# Altium PCB UprojectPCB.PcbDoc (part 2 of 2)
Units mm, origin at the board's own origin, x right, y up, seen from the top; angles counter-clockwise.
Board outline 96.84 x 95.88 mm, 4 copper layers (Top Layer, Int1 (GND), Int2 (PWR), Bottom Layer), stack 1.369 mm thick; 127 components, 88 nets, 449 pads, 124 vias.
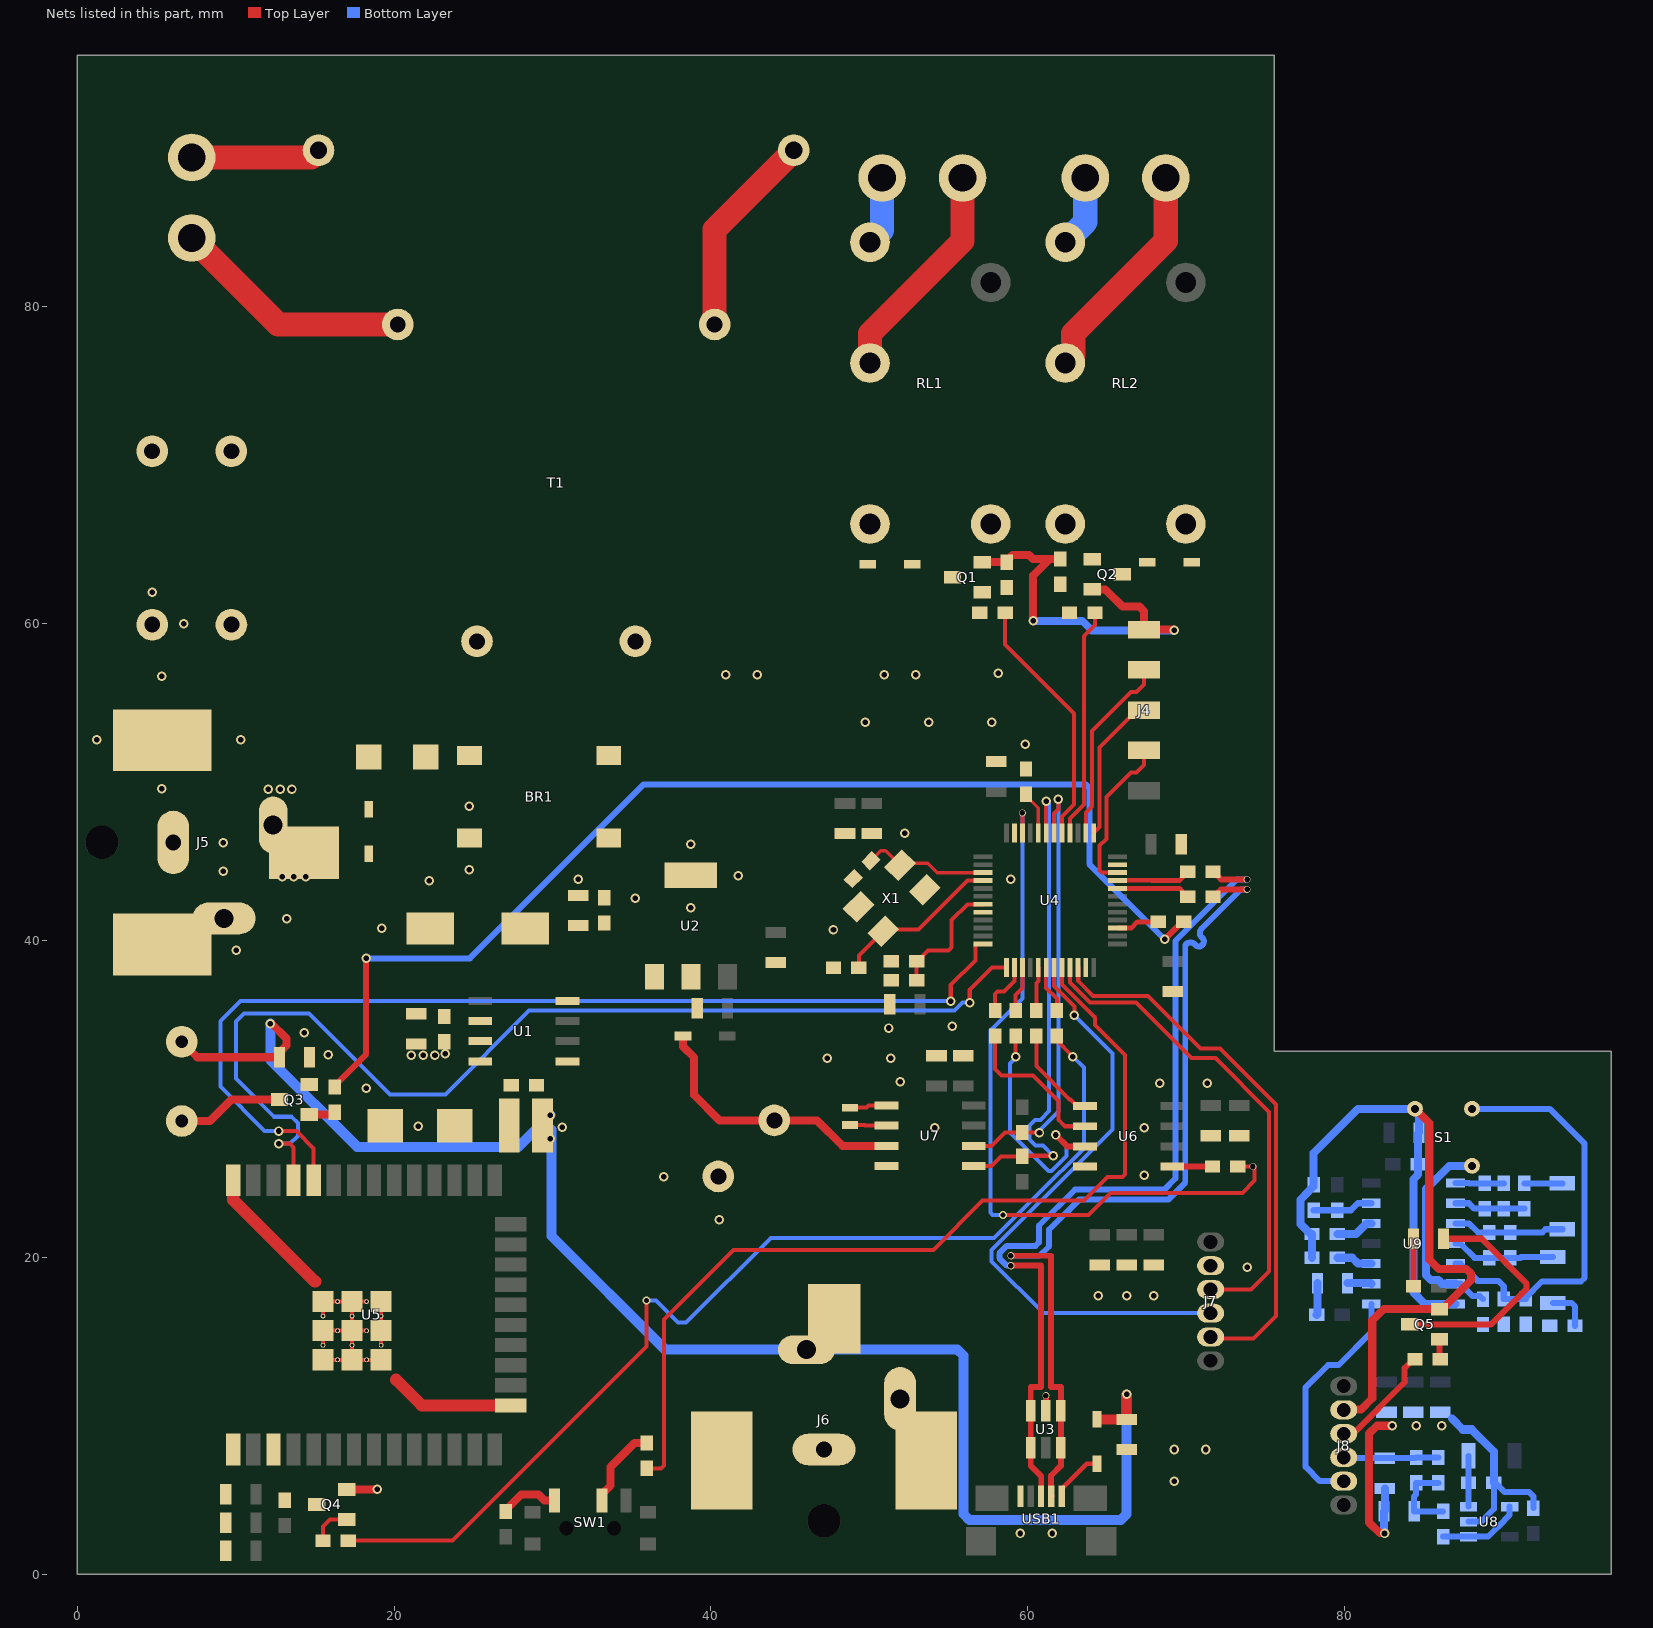
[diagram p4: the nets of this part, all layers, seen from the top]

## Via types
v1: diameter 0.6, hole 0.35, Top Layer to Bottom Layer, tented both sides, 114 vias
v2: diameter 0.45, hole 0.35, Top Layer to Bottom Layer, tented both sides, 8 vias
v3: diameter 0.5, hole 0.3, Top Layer to Bottom Layer, tented both sides, 2 vias

## Nets (pads, with @x,y where several pads share a name; then routed paths per layer and width w, separated by ;. In a path a pad name is that pad's centre, name@x,y a point inside that pad or via, vN(x,y) a via of type N, cw(c..) or ccw(c..) an arc to the next point about the centre after c; other vN are vias at no path point) (continued)
+5VDC: BZ1.2 C5.1 C7.2 C8.2 C9.2 C20.2 D4.1 J6.1 L1.2 U1.4 U2.1 | length 99.8
  Top Layer w0.508: BZ1.2@6.602,33.611 7.579,32.635 C20.2@12.764,32.635 12.86,32.731 12.86,33.031 13.22,33.39 13.22,33.811 12.285,34.746 12.213,34.746 v1(12.195,34.764)
  Top Layer w0.635: D4.1@64.433,9.781 C7.2@66.183,9.781 ; C7.2@66.233,9.781 v1(66.233,11.356)
  Bottom Layer w0.635: v1(12.195,34.764) 12.195,32.461 17.674,26.981 27.858,26.981 v1(29.858,28.981) ; 29.933,28.081 29.933,21.356 37.108,14.181 J6.1@46.033,14.181 55.561,14.181 55.933,13.809 55.933,3.803 56.305,3.431 65.861,3.431 66.233,3.803 v1(66.233,11.356)
  other v1: 29.858,27.481 30.608,28.231
+12: C3.2 C4.2 D1.1 D2.1 D8.1 J5.1 RL1.5 RL2.4 U1.7
  other v1: 21.083,32.756 21.833,32.756 22.583,32.756 23.243,32.847 12.933,44.031 13.683,44.031 14.433,44.031 12.058,49.556 12.808,49.556 13.558,49.556
AC_LINE_1: J1.1 R1.1 | length 8.2
  Top Layer w1.524: J1.1@7.233,89.421 14.773,89.421 R1.1@15.233,89.881
AC_LINE_2: J1.2 T1.5 | length 15.3
  Top Layer w1.524: J1.2@7.233,84.341 12.693,78.881 T1.5@20.233,78.881
BUZZER: R13.2 R14.2 | length 72.6
  Top Layer w0.381: R14.2@16.258,30.756 16.258,30.845 18.233,32.82 v1(18.233,38.881) ; v1(68.633,40.081) 68.633,40.051 68.65,40.034 68.65,40.087 69.745,41.181 R13.2@69.833,41.181
  Bottom Layer w0.381: v1(18.233,38.881) 24.778,38.881 35.753,49.856 63.66,49.856 63.883,49.633 63.883,44.82 68.657,40.046 68.633,40.07 v1(68.633,40.081)
GND: BR1.4 C1.2 C2.2 C3.1 C4.1 C5.2 C7.1 C8.1 C9.1 C10.1 C11.1 C12.1 C13.1 C14.1 C15.1 C16.1 C17.1 C18.1 C19.1 C20.1 C21.1 C22.1 C23.1 C24.1 C25.1 C26.1 C27.1 C28.1 C29.1 C30.2 C31.1 C32.1 D3.A J4.5 J5.2 J5.3 J6.2 J6.3 J7.2 Q1.2 Q2.2 Q3.2 Q4.2 R4.1 R5.1 R11.1 R12.1 U1.6 U2.2 U3.2 U4.8 U4.23 U4.35 U4.47 U5.1 U5.15 U5.38 U5.39 U6.4 U7.4 USB1.5 X1.2 X1.4 | length 62.4
  Top Layer w0.254: U5.39@15.516,13.544 U5.39@16.434,13.544 U5.39@17.351,13.544 ; U5.39@15.516,14.462 U5.39@15.516,15.379 U5.39@16.434,15.379 U5.39@17.351,15.379 ; U5.39@15.516,16.297 U5.39@15.516,17.214 U5.39@16.434,17.214 U5.39@17.351,17.214 ; U5.39@18.269,15.379 U5.39@17.351,15.379 ; U5.39@18.269,17.214 U5.39@17.351,17.214 ; U5.39@19.186,13.544 U5.39@18.269,13.544 U5.39@17.351,13.544 ; U5.39@19.186,14.462 U5.39@19.186,15.379 U5.39@19.186,16.297 U5.39@19.186,17.214 ; U5.39@17.351,13.544 U5.39@17.351,14.462 U5.39@17.351,15.379 ; U5.39@17.351,15.379 U5.39@17.351,16.297 U5.39@17.351,17.214
  Top Layer w0.381: U3.2@61.133,10.331 v2(61.133,11.281)
  Top Layer w0.508: Q4.2@17.007,5.36 v1(18.933,5.36) ; Q1.2@57.133,63.881 58.01,63.881 R4.1@58.657,63.881 58.657,63.97 59.02,64.333 60.077,64.333 60.329,64.081 61.386,64.081 ; v1(60.333,60.181) 60.333,63.029 61.386,64.081 ; R5.1@62.033,64.081 61.386,64.081 ; Q2.2@64.076,62.165 64.88,62.165 65.964,61.081 67.036,61.081 67.333,60.784 J4.5@67.333,59.621 69.193,59.621 v1(69.233,59.581)
  Top Layer w0.762: U5.38@9.851,24.879 9.851,23.625 14.995,18.481 15.033,18.481 ; 20.133,12.281 21.75,10.664 U5.15@27.361,10.664
  Bottom Layer w0.508: v1(60.333,60.181) 63.433,60.181 64.033,59.581 v1(69.233,59.581)
  other v1: 59.533,2.581 61.533,2.581 69.233,5.881 69.233,7.881 71.233,7.881 64.433,17.581 66.233,17.581 67.933,17.581 73.833,19.381 40.533,22.381 37.033,25.081 67.333,25.181 54.133,28.181 67.333,28.181 21.533,28.281 18.233,30.681 68.333,30.981 71.333,30.981 51.933,31.081 47.333,32.581 51.333,32.581 15.833,32.781 14.333,34.181 51.233,34.481 55.233,34.581 10.033,39.381 47.733,40.681 19.233,40.781 13.233,41.381 38.733,42.081 35.233,42.681 22.233,43.781 31.633,43.881 58.933,43.881 41.733,44.081 9.233,44.381 24.733,44.481 38.733,46.081 9.233,46.181 52.233,46.781 24.733,48.481 5.333,49.581 59.833,52.381 1.233,52.681 10.333,52.681 49.733,53.781 53.733,53.781 57.733,53.781 5.333,56.681 40.933,56.781 42.933,56.781 50.933,56.781 52.933,56.781 58.133,56.881 6.733,59.981 4.733,61.981
GND_S: C33.1 C34.1 C35.1 C36.1 C37.1 C38.1 C39.2 C40.1 C43.1 C46.1 C47.2 J8.2 Q5.2 R27.1 R34.2 R35.1 R36.1 R37.1 S1.3 U8.2 U9.7 | length 81.3
  Top Layer w0.508: J8.2@79.933,10.381 79.968,10.416 81.037,10.416 81.733,11.112 81.733,16.012 82.483,16.762 85.948,16.762 Q5.2@85.978,16.731 86.128,16.731 87.96,18.563 87.96,18.984 87.662,19.281 85.933,19.281 85.333,19.881 85.333,28.481 S1.3@84.433,29.381 ; v1(82.508,2.581) 82.491,2.599 82.216,2.599 81.533,3.281 81.533,8.881 82.033,9.381 v1(83.008,9.381)
  Bottom Layer w0.381: U8.2@87.808,3.331 88.612,3.331 89.409,4.127 R27.1@89.409,5.781 89.497,5.781 90.071,5.208 91.618,5.208 91.908,4.918 C33.1@91.908,4.181
  Bottom Layer w0.508: R36.1@77.933,19.981 77.933,20.629 R35.1@77.933,21.481 77.844,21.481 77.208,22.118 77.208,23.643 77.46,23.895 77.46,23.919 78.033,24.492 C43.1@78.033,24.581 78.033,26.581 80.833,29.381 82.767,29.381 84.3,29.381 84.683,28.998 C40.1@84.683,27.881 84.633,27.831 C39.2@84.633,25.881 84.633,25.234 84.333,24.934 84.333,17.781 85.043,17.071 U9.7@86.993,17.071 ; v1(82.508,2.581) 82.483,2.606 C34.1@82.483,3.981 82.533,4.031 C35.1@82.533,5.431 ; 86.758,9.831 87.444,9.146 ; 88.005,9.146 89.409,7.742 R27.1@89.409,5.781
  Bottom Layer w0.559: 87.444,9.146 88.005,9.146
  other v1: 84.508,9.381 86.108,9.381
LED_DRIVER: J7.3 U4.21 | length 31.1
  Top Layer w0.254: U4.21@62.657,38.291 62.657,37.347 63.923,36.081 66.823,36.081 70.323,32.581 71.833,32.581 75.233,29.181 75.233,19.13 74.085,17.981 J7.3@71.533,17.981
LED_S: J8.3 R28.1 | length 7
  Top Layer w0.381: J8.3@79.933,8.881 80.533,8.881 83.771,12.119 83.771,13.008 84.344,13.581 R28.1@84.433,13.581
LIGHT1_GND: J2.2 RL1.3 | length 4.4
  Bottom Layer w1.524: RL1.3@50.035,84.07 50.797,84.832 J2.2@50.797,88.134
LIGHT1_VCC: J2.1 RL1.2 | length 14.1
  Top Layer w1.524: RL1.2@50.035,76.45 50.035,78.308 55.877,84.15 J2.1@55.877,88.134
LIGHT2_GND: J3.2 RL2.3 | length 4.6
  Bottom Layer w1.524: RL2.3@62.354,84.07 63.624,85.34 J3.2@63.624,88.134
LIGHT2_VCC: J3.1 RL2.2 | length 14.3
  Top Layer w1.524: RL2.2@62.354,76.45 62.862,76.958 62.862,78.308 68.704,84.15 J3.1@68.704,88.134
MCU_N: R8.1 U4.32 | length 4.7
  Top Layer w0.305: U4.32@65.657,43.291 67.611,43.291 67.617,43.285 69.575,43.285 69.753,43.106 69.753,42.993 69.994,42.751 R8.1@70.083,42.751
MCU_P: R9.1 U4.33 | length 4.7
  Top Layer w0.305: U4.33@65.657,43.804 67.823,43.804 67.83,43.798 69.575,43.798 69.753,43.976 69.753,44.09 69.994,44.331 R9.1@70.083,44.331
NetBR1_1: BR1.1 T1.9
NetBR1_2: BR1.2 T1.7
NetBR1_3: BR1.3 F1.1
NetBZ1_1: BZ1.1 Q3.3 | length 6.7
  Top Layer w0.508: BZ1.1@6.602,28.611 8.388,28.611 9.745,29.968 Q3.3@12.769,29.968
NetC1_1: C1.1 C2.1 D8.2 F1.2
NetC6_1: C6.1 U1.1
NetC6_2: C6.2 D3.C L1.1 U1.8
NetC15_2: C15.2 U4.3 X1.3 | length 8
  Top Layer w0.203: C15.2@50.099,45.047 50.72,45.667 51.02,45.667 X1.3@51.933,44.754 52.056,44.878 53.687,44.878 54.283,44.281 57.147,44.281 U4.3@57.157,44.291
NetC19_2: C19.2 U4.4 X1.1 | length 10.6
  Top Layer w0.254: C19.2@49.334,38.281 49.334,39.044 50.127,39.837 50.996,40.706 53.091,40.706 56.176,43.791 U4.4@57.157,43.791
NetC21_2: C21.2 R11.2 U4.7 | length 7.9
  Top Layer w0.254: C21.2@52.984,37.481 R11.2@52.984,38.681 53.072,38.681 53.339,38.948 53.339,39.037 53.684,39.381 54.987,39.381 55.184,39.578 55.184,41.298 56.176,42.291 U4.7@57.157,42.291
NetC30_1: C30.1 D5.1 U7.3 | length 17
  Top Layer w0.508: D5.1@38.233,33.981 38.233,33.325 38.943,32.616 38.943,30.252 40.546,28.649 46.695,28.649 48.298,27.046 U7.3@50.587,27.046
NetC34_2: C34.2 R24.1 R25.2 R26.1 | length 5.1
  Bottom Layer w0.381: R24.1@85.908,5.781 R26.1@84.508,5.781 84.508,5.044 84.383,4.919 C34.2@84.383,3.981 R25.2@86.208,3.981
NetC41_1: C41.1 R29.1 R31.2 U9.2 | length 4.5
  Bottom Layer w0.381: U9.2@86.993,23.421 87.837,23.421 88.177,23.081 C41.1@88.833,23.081 R29.1@90.033,23.081 R31.2@91.333,23.081
NetC41_2: C41.2 R29.2 U9.1 | length 3
  Bottom Layer w0.381: U9.1@86.993,24.691 87.837,24.691 87.847,24.681 C41.2@88.833,24.681 R29.2@90.033,24.681
NetC42_1: C42.1 C44.1 R33.1 U9.3 | length 7.1
  Bottom Layer w0.381: U9.3@86.993,22.151 87.837,22.151 88.407,21.581 R33.1@89.133,21.581 C44.1@90.433,21.581 92.48,21.581 92.679,21.781 C42.1@93.733,21.781
NetC42_2: C42.2 R31.1 | length 2.4
  Bottom Layer w0.381: R31.1@91.333,24.681 C42.2@93.733,24.681
NetC43_2: C43.2 R30.1 U9.13 | length 3.8
  Bottom Layer w0.381: C43.2@78.033,22.981 78.886,22.981 R30.1@79.533,22.981 79.933,22.981 80.389,22.981 80.829,23.421 U9.13@81.673,23.421
NetC44_2: C44.2 C45.1 R33.2 U9.4 | length 6.5
  Bottom Layer w0.381: U9.4@86.993,20.881 87.293,20.881 88.193,19.981 R33.2@89.133,19.981 C44.2@90.433,19.981 91.081,19.981 91.131,20.031 C45.1@93.133,20.031
NetC45_2: C45.2 R34.1 | length 2.7
  Bottom Layer w0.381: C45.2@93.133,17.131 94.31,17.131 94.533,16.908 R34.1@94.533,15.681
NetC46_2: C46.2 S1.1 U9.6 | length 13.2
  Bottom Layer w0.381: U9.6@86.993,18.341 87.293,18.341 88.077,17.558 88.533,17.558 C46.2@88.724,17.366
  Bottom Layer w0.508: U9.6@86.993,18.341 86.149,18.341 85.909,18.581 85.431,18.581 85.133,18.879 85.133,24.322 86.593,25.781 S1.1@88.033,25.781
NetC47_1: C47.1 R37.2 S1.2 U9.5 | length 26.6
  Bottom Layer w0.381: U9.5@86.993,19.611 87.293,19.611 88.386,18.518 89.696,18.518 90.033,18.181 C47.1@90.033,17.381 R37.2@91.433,17.381 91.433,17.47 92.444,18.481 94.91,18.481 95.133,18.704 95.133,27.181 92.933,29.381 S1.2@88.033,29.381
NetD1_2: D1.2 Q1.3 RL1.4
NetD2_2: D2.2 Q2.3 RL2.5
NetD4_2: D4.2 USB1.1 | length 3.4
  Top Layer w0.279: USB1.1@62.133,4.931 62.133,5.406 63.708,6.981 D4.2@64.358,6.981
NetD6_1: D6.1 Q5.3 | length 15.1
  Top Layer w0.381: Q5.3@84.088,15.781 84.892,15.781 89.233,15.781 91.476,18.023 91.476,18.339 88.633,21.181 D6.1@86.233,21.181
NetD6_2: D6.2 R23.1 | length 3
  Top Layer w0.381: R23.1@84.333,18.181 D6.2@84.333,21.181
NetD7_1: D7.1 U9.9 | length 1.5
  Bottom Layer w0.508: D7.1@80.183,18.381 80.188,18.377 81.638,18.377 U9.9@81.673,18.341
NetD7_2: D7.2 R32.1 | length 2
  Bottom Layer w0.508: R32.1@78.233,16.381 78.283,16.431 D7.2@78.283,18.381
NetJ7_5: J7.5 U4.22 | length 34.7
  Top Layer w0.254: U4.22@63.157,38.291 63.18,38.268 63.18,37.434 64.102,36.513 67.571,36.513 70.893,33.191 72.124,33.191 75.665,29.649 75.665,16.313 74.233,14.881 71.633,14.881 J7.5@71.533,14.981
NetJ8_5: J8.5 U9.8 | length 15.2
  Bottom Layer w0.381: J8.5@79.933,5.881 78.433,5.881 77.533,6.781 77.533,11.8 78.947,13.213 79.618,13.213 81.673,15.269 U9.8@81.673,17.071
NetQ1_1: Q1.1 R2.2 R4.2
NetQ2_1: Q2.1 R3.2 R5.2
NetQ3_1: Q3.1 R14.1 | length 1.7
  Top Layer w0.508: Q3.1@14.659,29.018 16.12,29.018 R14.1@16.258,29.156
NetQ4_1: Q4.1 R16.1 | length 2.6
  Top Layer w0.254: R16.1@15.516,2.124 15.516,3.014 15.962,3.46 Q4.1@17.007,3.46
NetQ5_1: Q5.1 R28.2 | length 1.3
  Top Layer w0.381: Q5.1@85.978,14.831 85.978,13.636 R28.2@86.033,13.581
NetR1_2: R1.2 T1.1 | length 13.1
  Top Layer w1.524: T1.1@40.233,78.881 40.233,84.881 R1.2@45.233,89.881
NetR2_1: R2.1 U4.41 | length 16
  Top Layer w0.254: R2.1@58.568,60.683 58.568,58.681 62.924,54.326 62.924,48.589 62.157,47.822 U4.41@62.157,46.791
NetR3_1: R3.1 U4.40 | length 14.5
  Top Layer w0.254: U4.40@62.657,46.791 62.657,47.705 63.533,48.581 63.533,59.206 64.234,59.907 R3.1@64.234,60.681
NetR6_1: R6.1 SW1.1 | length 3.7
  Top Layer w0.508: R6.1@27.049,3.971 27.049,4.06 28.028,5.039 29.122,5.039 29.494,4.667 SW1.1@30.133,4.667
NetR7_2: R7.2 SW1.2 | length 5.2
  Top Layer w0.508: SW1.2@33.133,4.667 33.133,5.067 33.663,5.597 33.663,6.785 35.167,8.289 R7.2@35.939,8.289
NetR10_1: R10.1 U4.18 | length 3
  Top Layer w0.254: U4.18@61.157,38.291 61.157,37.015 61.833,36.339 R10.1@61.833,35.581
NetR12_2: R12.2 U4.44 | length 2.8
  Top Layer w0.203: R12.2@59.883,49.231 59.883,49.142 60.547,48.479 60.547,48.478 60.657,48.367 U4.44@60.657,46.791
NetR13_1: R13.1 U4.27 | length 2.7
  Top Layer w0.305: U4.27@65.657,40.791 66.511,40.791 66.901,41.181 R13.1@68.233,41.181
NetR17_1: R17.1 U6.1 | length 6
  Top Layer w0.254: R17.1@60.533,33.981 60.533,32.081 62.634,29.981 62.679,29.981 63.108,29.551 U6.1@63.608,29.551
NetR18_1: R18.1 U6.3 | length 14.9
  Top Layer w0.254: v1(59.233,32.681) R18.1@59.233,33.981
  Top Layer w0.381: v1(61.758,27.73) 62.477,27.011 U6.3@63.608,27.011
  Bottom Layer w0.254: v1(59.233,32.681) 59.233,32.598 58.883,32.248 58.883,27.881 61.293,25.472 61.503,25.472 62.433,26.403 62.433,27.055 v1(61.758,27.73)
NetR19_1: R19.1 U6.2 | length 10
  Top Layer w0.254: R19.1@57.933,33.981 57.933,31.881 58.333,31.481 60.333,31.481 61.933,29.881 61.933,28.692 62.344,28.281 U6.2@63.608,28.281
NetR20_2: R20.2 U6.5 | length 2.5
  Top Layer w0.374: U6.5@69.108,25.741 R20.2@71.652,25.741
NetR25_1: R25.1 U8.1 U8.4 | length 5.3
  Bottom Layer w0.381: R25.1@86.208,2.381 86.856,2.381 U8.1@87.808,2.381 89.038,2.381 89.49,2.834 89.706,3.05 90.408,3.752 U8.4@90.408,4.281
NetR27_2: R27.2 RT1.1 U8.3 | length 3.2
  Bottom Layer w0.381: U8.3@87.808,4.281 R27.2@87.808,5.781 RT1.1@87.808,7.481
NetR35_2: R35.2 U9.12 | length 2.4
  Bottom Layer w0.508: R35.2@79.533,21.481 80.703,21.481 81.373,22.151 U9.12@81.673,22.151
NetR36_2: R36.2 U9.10 | length 2.3
  Bottom Layer w0.508: R36.2@79.534,19.981 80.473,19.981 80.843,19.611 U9.10@81.673,19.611
NetU7_1: U7.1 X2.2 | length 2.4
  Top Layer w0.254: X2.2@48.766,29.451 49.818,29.451 49.952,29.586 U7.1@51.083,29.586
NetU7_2: U7.2 X2.1 | length 2.3
  Top Layer w0.254: X2.1@48.766,28.351 49.695,28.351 49.731,28.316 U7.2@51.083,28.316
RTC_SCL: R21.1 U4.42 U7.6 | length 28.3
  Top Layer w0.254: U7.6@56.583,27.046 57.714,27.046 58.549,27.881 R21.1@59.633,27.881 59.649,27.896 59.664,27.881 v1(60.733,27.881) ; U4.42@61.657,46.791 61.657,48.034 61.928,48.305 v1(61.928,48.917)
  Bottom Layer w0.254: v1(60.733,27.881) 60.733,28.015 61.928,29.21 v1(61.928,48.917)
RTC_SDA: R22.1 U4.43 U7.5 | length 31.4
  Top Layer w0.254: U7.5@56.583,25.776 57.714,25.776 58.32,26.382 R22.1@59.633,26.382 59.672,26.42 v1(61.595,26.42) ; U4.43@61.157,46.791 61.157,48.805 v1(61.158,48.806)
  Bottom Layer w0.254: v1@61.183,48.806 61.338,48.651 61.338,29.231 60.797,28.689 60.441,28.689 60.089,28.337 60.089,27.456 60.475,27.07 60.945,27.07 v1(61.595,26.42)
"SENSOR ONOFF": R7.1 U4.20 | length 58
  Top Layer w0.254: R7.1@35.939,6.689 36.841,6.689 37.033,6.881 37.033,16.081 41.433,20.481 54.033,20.481 57.133,23.581 63.533,23.581 65.033,25.081 65.985,25.081 66.133,25.23 66.133,32.781 64.233,34.681 64.233,35.16 62.157,37.236 U4.20@62.157,38.291
SWCLK: J4.3 U4.37 | length 9.3
  Top Layer w0.254: U4.37@64.157,46.791 64.533,47.167 64.533,52.191 66.883,54.541 J4.3@67.333,54.541
SWDIO: J4.2 U4.34 | length 10.1
  Top Layer w0.254: U4.34@65.657,44.291 64.676,44.291 64.533,44.434 64.533,45.986 64.965,46.418 64.965,49.074 66.495,50.604 66.867,50.604 67.333,51.07 J4.2@67.333,52.001
TDI: J4.4 U4.38 | length 12
  Top Layer w0.254: U4.38@63.657,46.791 63.657,48.095 64.033,48.471 64.033,53.222 66.495,55.684 66.867,55.684 67.333,56.15 J4.4@67.333,57.081
TEMP_ADC: C35.2 J8.4 R24.2 R26.2 | length 6
  Bottom Layer w0.381: J8.4@79.933,7.381 79.983,7.331 C35.2@82.533,7.331 84.458,7.331 R26.2@84.508,7.381 R24.2@85.908,7.381
TEMP_IN_CS: R19.2 U4.14 | length 3.5
  Top Layer w0.254: R19.2@57.933,35.581 57.933,36.632 58.082,36.781 58.501,36.781 59.157,37.437 U4.14@59.157,38.291
TEMP_IN_OT: R20.1 U4.46 | length 46.9
  Top Layer w0.254: v3(58.433,22.681) 63.83,22.681 65.23,24.081 73.533,24.081 74.302,24.849 74.302,25.741 R20.1@73.252,25.741 ; U4.46@59.657,46.791 v2(59.657,48.057)
  Bottom Layer w0.254: v3(58.433,22.681) 57.782,22.681 57.633,22.83 57.633,34.331 59.657,36.355 v2(59.657,48.057)
  other v2: 74.203,25.741
TEMP_IN_SCLK: R18.2 U4.15 | length 2.9
  Top Layer w0.254: R18.2@59.233,35.581 59.233,36.571 59.657,36.995 U4.15@59.657,38.291
TEMP_IN_SIO: R17.2 U4.17 | length 2.8
  Top Layer w0.254: R17.2@60.533,35.581 60.533,37.313 60.657,37.437 U4.17@60.657,38.291
TEMPERATURE_ADC: J7.4 U4.19 | length 38.4
  Top Layer w0.254: U4.19@61.657,38.291 61.657,37.125 62.933,35.849 v1(62.933,35.281)
  Bottom Layer w0.254: v1(62.933,35.281) 65.333,32.881 65.333,28.081 60.848,23.596 60.836,23.596 57.708,20.468 57.708,19.751 60.978,16.481 J7.4@71.533,16.481
USB_N: R8.2 U3.1 U3.6 USB1.2 | length 55.8
  Top Layer w0.374: v2(58.933,20.109) 61.447,20.109 61.447,11.831 62.083,11.831 U3.1@62.083,10.331 U3.6@62.083,7.981 62.083,6.853 61.472,6.242 61.472,4.942 USB1.2@61.483,4.931 ; R8.2@71.683,42.751 71.772,42.751 71.979,42.958 71.979,43.008 72.198,43.227 v2(73.833,43.227)
  Bottom Layer w0.374: v2(58.933,20.109) 60.746,20.109 61.333,20.696 61.333,21.753 63.233,23.653 68.865,23.653 69.933,24.721 69.933,38.981 69.933,39.717 69.988,39.772 cw(c70.253,39.508) 70.517,39.772 70.569,39.72 ccw(c70.791,39.942) 71.013,40.164 70.961,40.216 cw(c71.226,40.481) 70.961,40.745 72.015,41.799 73.443,43.227 v2(73.833,43.227)
USB_P: R9.2 U3.3 U3.4 USB1.3 | length 55.8
  Top Layer w0.374: v2(58.933,19.481) 60.819,19.481 60.819,11.831 60.183,11.831 U3.3@60.183,10.331 U3.4@60.183,7.981 60.183,6.855 60.844,6.194 60.844,4.942 USB1.3@60.833,4.931 ; R9.2@71.683,44.331 71.772,44.331 71.979,44.125 71.979,44.074 72.198,43.855 v2(73.833,43.855)
  Bottom Layer w0.374: v2(58.933,19.481) 58.673,19.481 58.2,19.954 58.2,20.264 58.673,20.737 60.486,20.737 60.705,20.957 60.705,22.013 62.973,24.281 68.605,24.281 69.305,24.981 69.305,39.977 73.183,43.855 v2(73.833,43.855)
WIFI_EN: R10.2 R16.2 | length 67.3
  Top Layer w0.254: R16.2@17.117,2.124 23.676,2.124 35.933,14.381 v3(35.933,17.281) ; R10.2@61.833,33.981 61.833,33.681 v1(62.833,32.681)
  Bottom Layer w0.254: v3(35.933,17.281) 36.522,17.281 37.917,15.886 38.439,15.886 43.781,21.229 57.859,21.229 60.657,24.027 60.669,24.027 63.533,26.892 63.533,31.981 v1(62.833,32.681)
WIFI_OUT: Q4.3 R15.2 U5.3
WIFI_RXD: U4.12 U5.34 | length 65
  Top Layer w0.254: v1(12.733,27.981) 13.833,27.981 14.931,26.883 U5.34@14.931,24.879 ; v1(55.133,36.181) 55.133,37.203 56.684,38.754 56.684,39.768 56.707,39.791 U4.12@57.157,39.791
  Bottom Layer w0.254: v1(12.733,27.981) 11.833,27.981 9.033,30.781 9.033,32.967 9.033,34.908 10.306,36.181 v1(55.133,36.181)
WIFI_TXD: U4.13 U5.35 | length 68.7
  Top Layer w0.254: v1(12.733,27.181) 13.433,27.181 13.661,26.953 U5.35@13.661,24.879 ; v1(56.333,36.081) 56.333,36.897 57.728,38.291 U4.13@58.657,38.291
  Bottom Layer w0.254: v1(12.733,27.181) 13.433,27.181 13.933,27.681 13.933,28.481 13.533,28.881 12.433,28.881 10.033,31.281 10.033,34.883 10.537,35.386 14.628,35.386 19.733,30.281 23.233,30.281 28.528,35.576 55.384,35.576 55.889,36.081 v1(56.333,36.081)
pads on no net: J5. J6. J7.6 J8.6 RL1.1 RL2.1 SW1. SW1.3 U1.2 U1.3 U1.5 U4.1 U4.2 U4.5 U4.6 U4.10 U4.11 U4.16 U4.25 U4.26 U4.28 U4.29 U4.30 U4.31 U4.39 U4.45 U5.4 U5.5 U5.6 U5.7 U5.8 U5.9 U5.10 U5.11 U5.12 U5.13 U5.14 U5.16 U5.17 U5.18 U5.19 U5.20 U5.21 U5.22 U5.23 U5.24 U5.25 U5.26 U5.27 U5.28 U5.29 U5.30 U5.31 U5.32 U5.33 U5.36 U5.37 U6.6 U6.7 U7.7 U9.11 USB1. USB1.4

## Polygon pours and split planes (outlines as drawn)
GND on Top Layer "GND_L01_P031" (solid, remove dead copper, pour order 31): 7.633,74.081 0.633,74.081 0.633,26.581 1.033,26.181 2.233,26.181 29.833,26.181 29.833,6.481 30.233,6.081 36.833,6.081 36.833,1.081 37.433,0.481 75.233,0.481 75.833,1.081 75.833,2.081 75.833,58.181 42.899,58.181 41.08,58.935 26.633,73.381 26.233,73.981
GND_S on Top Layer "GND_S_L01_P039" (solid, remove dead copper, pour order 39): 77.733,32.431 95.733,32.431 96.333,31.831 96.333,1.331 95.533,0.531 77.433,0.531 76.633,1.331 76.633,32.031 77.033,32.431 77.833,32.431
GND on Top Layer "Top Layer-GND" (solid, pour order 30): 10.333,10.481 12.033,10.481 13.533,11.981 14.933,11.981 19.833,11.981 20.433,12.481 20.433,18.181 19.733,18.881 15.033,18.881 14.533,18.881 8.533,12.881 8.533,0.781 8.733,0.581 10.333,0.581
no net on Top Layer "NONET_L01_P028" (solid, pour order 28): 10.133,0.781
no net on Top Layer "NONET_L01_P026" (solid, pour order 26): 10.233,8.781
+3V3DC on Top Layer "Top Layer-+3V3DC" (solid, pour order 24): 57.03,48.822 58.324,48.822 58.383,48.822 58.458,48.781 58.458,46.206 58.508,46.156 58.808,46.156 58.858,46.206 58.858,49.922 56.782,49.922 55.802,49.922 46.627,49.922 45.902,49.197 45.902,42.747 45.148,41.993 42.637,41.972 40.125,39.46 39.947,39.282 ccw(c41.092,39.328) 39.948,39.26 39.948,33.867 40.233,33.581 41.883,33.581 42.151,33.849 42.151,38.939 43.093,39.881 44.843,39.881 47.452,42.49 47.452,48.107 50.963,48.107 51.677,48.822 55.743,48.822
+5VDC on Top Layer "+5VDC_L01_P016" (solid, pour order 16): 28.508,29.731 28.508,26.757 28.958,26.381 29.933,26.381 31.483,27.931 32.833,27.931 33.48,28.578 33.48,28.822 33.48,32.273 33.514,37.064 33.378,37.386 31.913,38.861 31.083,39.681 30.324,40.45 30.296,42.019 29.908,42.406 26.558,42.406 26.159,42.007 26.11,39.243 27.744,37.87 29.472,36.419 29.933,35.989 30.19,35.85 32.019,35.83 32.215,35.661 32.501,35.375 32.429,31.934 32.429,28.877 32.161,28.609 30.931,28.609 30.733,28.806 30.733,29.392 30.021,30.019 28.733,30.019
+5VDC on Top Layer "+5VDC_L01_P017" (solid, pour order 17): 34.477,41.708 37.068,39.739 37.233,39.405 37.233,36.756 36.953,36.581 36.024,36.581 35.484,37.031 35.358,37.156 35.358,39.024 33.73,40.24 30.388,40.276 30.025,40.517 30.025,41.849 34.012,41.864
NetC1_1 on Top Layer "Top Layer-NetC1_1" (solid, pour order 15): 17.608,47.456 19.452,47.456 19.793,47.797 19.793,50.372 19.793,52.797 19.468,53.122 17.184,53.122 16.644,53.346 11.296,58.694 11.193,58.943 11.193,71.872 10.393,72.672 8.993,72.672 8.788,72.467 8.268,71.872 8.268,59.374 8.499,58.816 14.891,52.424 17.031,50.484 17.199,50.17 17.199,47.866
NetBR1_1 on Top Layer "Top Layer-NetBR1_1" (solid, pour order 10): 33.783,60.656 33.108,59.981 33.108,58.456 35.658,55.906 35.658,48.856 34.908,48.106 32.758,48.106 31.933,47.281 31.933,45.956 32.633,45.256 35.733,45.256 35.733,45.281 37.983,47.531 37.983,58.856 36.183,60.656
NetBR1_2 on Top Layer "Top Layer-NetBR1_2" (solid, pour order 8): 23.883,60.656 23.083,59.856 23.083,58.106 23.958,57.231 27.933,57.231 32.108,53.056 32.108,52.931 31.733,52.556 31.733,51.131 32.433,50.431 34.483,50.431 34.958,50.906 34.958,52.556 26.608,60.656
no net on Top Layer "Top Layer-No Net" (solid, pour order 2): 23.783,60.956
GND on Bottom Layer "Bottom Layer-GND" (solid, remove dead copper, pour order 35): 1.533,37.581 9.433,37.581 10.233,36.781 10.233,27.381 11.133,26.481 28.833,26.481 28.833,1.881 30.233,0.481 76.033,0.481 76.033,58.681 73.433,61.281 8.133,61.281 8.133,71.781 7.233,72.681 0.633,72.681 0.635,61.281 0.633,38.481
GND_S on Bottom Layer "GND_S_L04_P037" (solid, remove dead copper, pour order 37): 77.733,32.481 95.733,32.481 96.333,31.881 96.333,1.381 95.533,0.581 77.433,0.581 76.633,1.381 76.633,32.081 77.033,32.481 77.833,32.481
no net on Bottom Layer "NONET_L04_P032" (solid, pour order 32): 75.033,59.981
GND on Int1 (GND) (split plane): 75.053,33.016 75.063,32.917 75.092,32.821 75.139,32.733 75.202,32.655 75.28,32.592 75.368,32.545 75.464,32.516 75.563,32.506 75.581,32.506 75.581,0.507 0.509,0.507 0.509,74.981 12.233,74.981 12.233,57.681 38.733,57.681 38.733,74.981 75.053,74.981
GND_S on Int1 (GND) (split plane): 96.323,0.507 77.016,0.507 77.016,32.506 96.323,32.506
+3V3DC on Int2 (PWR) (split plane): 75.053,95.262 0.607,95.262 0.607,74.772 12.331,74.772 12.331,57.472 38.562,57.472 32.477,51.387 11.483,51.387 11.417,51.379 11.355,51.353 11.302,51.312 9.927,49.937 9.887,49.884 9.861,49.823 9.852,49.756 9.852,43.856 9.861,43.79 9.887,43.728 9.927,43.675 18.877,34.725 18.877,32.381 18.886,32.315 18.912,32.253 18.952,32.2 20.052,31.1 20.105,31.059 20.123,31.052 20.167,31.034 20.233,31.025 24.033,31.025 24.1,31.034 24.161,31.059 24.215,31.1 25.415,32.3 25.455,32.353 25.481,32.415 25.49,32.481 25.49,34.681 25.481,34.748 25.455,34.809 25.415,34.862 23.115,37.162 17.333,42.944 19.315,44.925 19.355,44.978 19.37,45.014 19.381,45.04 19.39,45.106 19.39,47.125 33.033,47.125 33.1,47.134 33.161,47.159 33.215,47.2 44.515,58.5 69.008,58.5 69.075,58.509 69.136,58.534 69.19,58.575 71.84,61.225 71.88,61.278 71.888,61.296 71.906,61.34 71.915,61.406 71.915,68.706 71.906,68.773 71.88,68.834 71.84,68.887 71.786,68.928 71.725,68.954 71.658,68.962 69.208,68.962 69.142,68.954 69.116,68.943 69.08,68.928 69.027,68.887 66.802,66.662 66.762,66.609 66.736,66.548 66.727,66.481 66.727,63.787 65.427,62.487 57.815,62.487 51.665,68.637 51.611,68.678 51.55,68.704 51.483,68.712 49.908,68.712 49.842,68.704 49.824,68.696 49.78,68.678 49.727,68.637 38.831,57.742 38.831,74.772 75.053,74.772 75.053,33.016 75.063,32.917 75.092,32.821 75.139,32.733 75.202,32.655 75.28,32.592 75.368,32.545 75.464,32.516 75.563,32.506 75.751,32.506 75.751,0.507 0.509,0.507 0.509,95.371 75.053,95.371
+12 on Int2 (PWR) (split plane): 71.402,61.512 68.902,59.012 44.408,59.012 44.342,59.004 44.298,58.986 44.28,58.978 44.227,58.937 32.927,47.637 19.133,47.637 19.067,47.629 19.005,47.603 18.952,47.562 18.912,47.509 18.886,47.448 18.877,47.381 18.877,45.212 16.79,43.125 16.749,43.072 16.731,43.028 16.723,43.01 16.716,42.954 16.715,42.944 16.723,42.877 16.749,42.816 16.79,42.763 22.752,36.8 24.977,34.575 24.977,32.587 23.927,31.537 20.34,31.537 19.39,32.487 19.39,34.831 19.381,34.898 19.355,34.959 19.315,35.012 10.365,43.962 10.365,49.65 11.59,50.875 32.583,50.875 32.65,50.884 32.711,50.909 32.765,50.95 50.015,68.2 51.377,68.2 57.527,62.05 57.58,62.009 57.624,61.991 57.642,61.984 57.708,61.975 65.533,61.975 65.6,61.984 65.661,62.009 65.715,62.05 67.165,63.5 67.205,63.553 67.22,63.589 67.231,63.615 67.24,63.681 67.24,66.375 69.315,68.45 71.402,68.45
+3V3DC_S on Int2 (PWR) (split plane): 96.323,0.507 77.116,0.507 77.116,32.506 96.323,32.506
+5VDC on Int2 (PWR) (split plane): 32.751,28.123 32.751,20.181 32.758,20.107 32.78,20.035 32.815,19.969 32.863,19.911 34.151,18.623 34.151,15.781 34.158,15.707 34.18,15.635 34.215,15.569 34.263,15.511 34.763,15.011 34.821,14.963 34.887,14.928 34.959,14.906 35.033,14.898 42.733,14.898 42.808,14.906 42.88,14.928 42.946,14.963 43.004,15.011 43.792,15.798 46.775,15.798 48.251,14.323 48.251,13.24 47.675,12.664 35.392,12.664 28.616,19.44 28.616,29.998 30.875,29.998

## Keep-outs
Keep-Out Layer:
  lines w0.254: 75.563,33.016 96.833,33.016 96.833,-0.004 -0.002,-0.004 -0.002,95.881 75.563,95.881 75.563,33.016 ; 75.563,33.016 75.563,33.016

## Other copper
Top Layer:
  region net LED_S: 80.921,9.044 80.658,9.306 80.445,9.519 78.972,9.519 78.833,9.381 78.833,8.381 78.992,8.223 80.475,8.223 80.746,8.494 80.938,8.957
  region net GND_S: 81.089,10.537 80.789,10.837 80.576,11.05 79.102,11.05 78.964,10.912 78.964,9.912 79.123,9.754 80.606,9.754 81.089,10.237
  region net +3V3DC_S: 79.758,13.131 79.458,12.831 78.958,12.331 78.958,11.431 79.07,11.319 80.746,11.319 80.858,11.431 80.858,12.331 80.058,13.131
  region net +3V3DC: 10.633,6.881 10.833,6.681 10.833,0.981 11.133,0.681 11.933,0.681 13.307,0.681 13.486,0.681 14.133,1.013 14.133,1.181 13.733,1.581 13.733,2.681 13.733,3.481 13.433,3.781 12.159,3.781 12.159,5.856 11.804,6.211 11.633,6.623 11.633,8.981 10.633,8.981
  region: 13.733,1.831
  region net WIFI_OUT: 11.933,8.881 11.933,6.681 12.633,5.981 12.633,4.181 12.833,3.981 15.633,3.981 15.833,4.181 15.833,4.881 15.433,5.281 14.133,5.281 13.42,5.995 12.933,6.723 12.933,8.881
  region net NetC6_2: 26.508,26.306 27.652,26.306 28.055,26.786 28.055,31.204 26.383,32.631 26.058,32.631 24.687,32.631 24.502,32.448 24.483,32.422 24.483,31.931 24.683,31.731 26.033,31.731 26.033,30.081 22.933,30.081 22.333,29.481 22.333,27.281 23.308,26.306
  region net NetQ2_1: 64.533,64.581 64.733,64.381 64.733,63.281 64.533,63.081 63.733,63.081 63.233,62.581 63.233,60.381 62.933,60.081 61.933,60.081 61.533,60.481 61.533,62.881 61.733,63.081 63.045,63.081 63.045,64.058 63.433,64.581
  region net NetD2_2: 68.133,64.346 68.133,63.638 67.476,62.981 66.776,62.981 66.576,62.781 66.576,62.581 66.476,62.481 65.276,62.481 65.176,62.581 65.176,64.838 65.033,64.981 61.918,64.981 61.506,65.152 61.218,65.44 60.976,66.023 60.976,66.64 61.147,67.052 61.435,67.34 62.018,67.581 62.526,67.581 63.279,67.366 63.576,67.181
  region net +12: 69.033,67.681 68.633,67.281 68.633,64.181 69.333,63.481 70.733,63.481 71.333,64.081 71.333,67.181 70.833,67.681
  region net NetQ1_1: 56.235,62.162 56.235,60.362 56.535,60.062 57.435,60.062 57.735,60.362 57.735,61.162 58.135,61.562 58.935,61.562 59.235,61.862 59.235,62.862 56.935,62.862
  region net NetD1_2: 52.033,64.101 52.033,63.481 52.533,62.981 53.233,62.981 53.433,62.781 53.433,62.581 53.533,62.481 54.733,62.481 55.792,62.481 55.98,62.614 56.074,62.884 56.096,62.967 56.102,63.006 55.993,63.283 55.977,63.295 55.254,63.856 55.21,64.557 55.618,64.966 55.655,64.981 58.092,64.981 58.504,65.152 58.792,65.44 59.033,66.023 59.033,66.64 58.863,67.052 58.575,67.34 57.992,67.581 57.483,67.581 56.731,67.366 56.433,67.181 52.324,64.624
  region net +12: 49.033,67.681 48.533,67.181 48.533,63.981 49.133,63.381 50.833,63.381 51.433,63.981 51.433,67.181 50.933,67.681
  region net +3V3DC: 64.009,22.357 63.458,21.806 63.458,20.756 63.883,20.331 72.508,20.331 72.758,20.581 72.758,22.056 72.509,22.305
  region net +3V3DC: 53.508,31.606 53.158,31.256 53.158,30.006 54.083,29.081 57.383,29.081 57.733,29.431 57.733,30.906 57.033,31.606
  region: 56.508,31.506
  region net NetC6_1: 30.189,32.831 31.833,32.831 32.108,32.556 32.108,31.981 31.833,31.706 29.833,31.706 29.833,30.531 29.583,30.281 28.633,30.281 28.433,30.481 28.433,31.306 29.795,32.668
  region: 31.783,32.856
  region: 31.983,32.806
  region net +12: 26.383,33.906 26.383,33.356 26.027,32.956 25.033,32.956 24.015,32.937 23.673,32.705 23.491,32.356 20.983,32.356 20.483,32.856 20.483,33.244 20.483,33.906 20.858,34.181 22.233,34.181 26.051,34.195
  region net +12: 13.993,49.956 11.363,49.956 10.833,49.023 10.833,45.006 12.033,43.806 16.341,43.806 17.348,44.006 18.48,44.612 18.668,44.738 18.808,45 18.808,45.802 18.46,46.513 15.236,47.711
  region net NetBR1_3: 20.71,53.081 25.824,53.081 26.071,52.756 26.071,50.994 25.758,50.681 20.858,50.681 20.408,51.131 20.408,52.531
Bottom Layer:
  region net GND_S: 86.333,17.481 87.533,17.481 87.833,17.181 87.833,16.481 88.033,16.281 93.333,16.281 93.533,16.081 93.533,15.181 93.333,14.981 87.933,14.981 86.133,16.781 86.133,17.281
  region net +3V3DC_S: 82.533,28.781 82.233,28.781 82.033,28.581 82.033,25.781 81.633,25.381 79.133,25.381 78.833,25.081 78.833,24.081 78.933,23.981 81.833,23.981 82.175,24.123 83.733,25.681 83.733,28.581 83.533,28.781
  region net GND_S: 78.908,9.981 79.152,9.738 82.008,9.738 82.008,9.081 82.208,8.881 87.408,8.881 86.608,9.681 86.908,9.981 86.908,10.681 86.662,10.927 79.159,11.032 78.908,10.781
  region net TEMP_ADC: 81.15,7.24 80.85,6.94 80.637,6.726 79.163,6.726 79.025,6.865 79.025,7.865 79.183,8.023 80.667,8.023 81.15,7.54
  region net +3V3DC_S: 78.908,12.281 78.908,11.381 79.047,11.243 81.57,11.243 81.908,11.581 86.708,11.581 87.008,11.881 87.008,12.581 86.828,12.781 79.108,12.781 78.908,12.581
  region net +5VDC: 44.733,15.781 43.508,14.556 43.508,13.931 43.483,13.906 44.533,12.856 48.358,12.856 48.783,13.281 48.733,15.531 48.401,15.781
  region net +5VDC: 29.533,26.931 29.798,26.681 30.07,26.681 30.333,26.931
  region net +5VDC: 28.54,29.313 28.308,29.106 28.308,28.856 28.54,28.666
  region net +5VDC: 31.265,29.531 31.38,29.405 31.38,27.103 31.208,26.931 28.733,26.931 28.52,27.145 28.54,28.641 28.54,29.313 28.758,29.531 29.152,29.531
Int1 (GND) (plane layer: these items are gaps in the copper):
  rectangle: 78.883,9.106 81.033,11.356
  rectangle: 70.458,18.156 72.633,20.706
  rectangle: 16.183,16.056 16.683,16.531
  rectangle: 18.008,16.056 18.533,16.556
  rectangle: 18.058,14.231 18.483,14.756
  rectangle: 17.083,15.156 17.608,15.631
  rectangle: 16.183,14.206 16.683,14.731
  rectangle: 0.509,74.981 75.233,95.471
  rectangle: 12.233,57.681 38.733,75.081
  lines w0.762: 75.963,0.111 75.963,33.016 ; 76.633,0.481 76.633,32.981
Int2 (PWR) (plane layer: these items are gaps in the copper):
  rectangle: 0.633,0.581 8.433,25.781
  rectangle: 0.633,0.581 8.433,25.781
  rectangle: 0.607,74.772 75.331,95.262
  rectangle: 12.331,57.472 38.831,74.872
  lines w0.508: 16.971,42.944 19.133,45.106 19.133,47.381 33.033,47.381 44.408,58.756 69.008,58.756 71.658,61.406 71.658,68.706 69.208,68.706 66.983,66.481 66.983,63.681 65.533,62.231 57.708,62.231 51.483,68.456 49.908,68.456 32.583,51.131 15.058,51.131 11.483,51.131 10.108,49.756 10.108,43.856 19.133,34.831 19.133,32.381 20.233,31.281 24.033,31.281 25.233,32.481 25.233,34.681 22.933,36.981 16.971,42.944 ; 16.971,42.944 16.971,42.944
  lines w0.762: 76.133,-0.019 76.133,32.881 ; 76.733,0.081 76.733,32.981 ; 28.233,19.281 28.233,30.381 31.033,30.381 33.133,28.281 33.133,20.181 34.533,18.781 34.533,15.781 35.033,15.281 42.733,15.281 43.633,16.181 46.933,16.181 48.633,14.481 48.633,13.081 47.833,12.281 35.233,12.281 28.233,19.281

## Silkscreen, mask and mechanical layers (free items; w line width, h text height)
Top Overlay:
  drawing of 2946 lines, arcs and shapes, not listed
  text "AC IN" at 3.587,93.435 h1.27
  text "12V" at 11.087,51.935 h1.52
  text "PROG." at 71.087,46.435 h1.02
  text "5V" at 39.487,15.435 h1.52
  text "SENSOR" at 75.279,8.335 h1.02 r90
Bottom Overlay:
  lines w0.254: 79.69,29.81 cw(c78.583,29.856) 79.69,29.856
  text "GND TEST" at 81.383,31.231 h0.6
  text "MAIN" at 80.942,0.735 h1.02
Bottom Solder:
  region: 78.558,30.756 77.658,29.856 78.558,28.956 79.458,29.856
Drill Guide:
  lines w0.1: -0.002,-0.004 96.833,-0.004 96.833,33.016 75.563,33.016 75.563,95.881 74.293,95.881 0.633,95.881 -0.002,95.881 -0.002,-0.004
Designator:
  lines w0.254: 0.233,-0.119 95.133,-0.119 96.833,-0.119 96.833,1.581 96.833,33.016 75.563,33.016 75.563,95.881 0.233,95.881 ; 0.233,-0.119 0.233,95.881 ; 0.233,-0.119 0.233,95.881 ; 0.233,-0.119 0.233,95.881
Route Tool Path:
  lines w0.3: 76.033,3.556 76.033,3.706 ; 76.033,4.056 76.033,4.206 ; 76.033,4.531 76.033,4.681 ; 76.033,10.506 76.033,10.656 ; 76.033,11.006 76.033,11.156 ; 76.033,11.481 76.033,11.631 ; 76.033,16.831 76.033,16.981 ; 76.033,17.331 76.033,17.481 ; 76.033,17.806 76.033,17.956 ; 76.033,23.006 76.033,23.156 ; 76.033,23.506 76.033,23.656 ; 76.033,23.981 76.033,24.131 ; 76.033,28.506 76.033,28.656 ; 76.033,29.006 76.033,29.156 ; 76.033,29.481 76.033,29.631 ; 76.383,3.556 76.383,3.706 ; 76.383,4.056 76.383,4.206 ; 76.383,4.531 76.383,4.681 ; 76.383,10.506 76.383,10.656 ; 76.383,11.006 76.383,11.156 ; 76.383,11.481 76.383,11.631 ; 76.383,16.831 76.383,16.981 ; 76.383,17.331 76.383,17.481 ; 76.383,17.806 76.383,17.956 ; 76.383,23.006 76.383,23.156 ; 76.383,23.506 76.383,23.656 ; 76.383,23.981 76.383,24.131 ; 76.383,28.506 76.383,28.656 ; 76.383,29.006 76.383,29.156 ; 76.383,29.481 76.383,29.631
  lines w0.6: -0.002,7.296 -0.002,25.231 ; 0.033,9.931 7.933,9.931 ; 0.033,11.131 7.933,11.131 ; 0.033,15.331 7.933,15.331 ; 0.033,22.281 7.933,22.281 ; 0.033,23.831 7.933,23.831 ; 0.133,19.831 7.733,19.831 ; 0.183,13.931 7.883,13.931 ; 0.183,18.381 8.083,18.381 ; 0.183,23.481 7.733,23.531 ; 0.233,20.381 6.983,20.381 7.183,20.181 ; 0.233,21.081 8.133,21.081 ; 0.233,24.081 6.983,24.081 7.183,23.881 ; 0.283,8.781 7.883,8.781 ; 0.333,16.931 7.883,16.931 ; 0.333,18.931 7.083,18.931 7.283,18.731 ; 0.333,21.631 7.083,21.631 7.283,21.431 ; 0.383,9.331 7.133,9.331 7.333,9.131 ; 0.383,12.431 7.883,12.431 ; 0.383,12.981 7.133,12.981 7.333,12.781 ; 0.383,14.481 7.133,14.481 7.333,14.281 ; 0.383,17.481 7.133,17.481 7.333,17.281 ; 0.433,10.481 7.183,10.481 7.383,10.281 ; 0.433,11.681 7.183,11.681 7.383,11.481 ; 0.433,15.881 7.183,15.881 7.383,15.681 ; 0.433,22.831 7.183,22.831 7.383,22.631 ; 0.433,24.381 7.183,24.381 7.383,24.181 ; 0.483,7.381 0.483,25.081 0.583,25.181 0.583,7.631 ; 0.633,7.681 0.433,7.881 7.183,7.881 7.383,7.681 ; 0.783,20.881 7.283,20.881 ; 0.783,24.581 7.283,24.581 ; 0.883,19.431 7.383,19.431 ; 0.883,22.131 7.383,22.131 ; 0.933,9.831 7.433,9.831 ; 0.933,13.481 7.433,13.481 ; 0.933,14.981 7.433,14.981 ; 0.933,17.981 7.433,17.981 ; 0.983,8.381 7.483,8.381 7.733,8.131 7.733,7.731 ; 0.983,10.981 7.483,10.981 ; 0.983,12.181 7.483,12.181 ; 0.983,16.381 7.483,16.381 ; 0.983,23.331 7.483,23.331 ; 0.983,24.881 7.483,24.881 ; 1.233,8.281 0.983,8.031 7.033,8.031 ; 7.133,20.231 7.133,21.081 ; 7.533,8.031 7.533,23.931 7.533,24.331 ; 7.533,20.231 7.533,20.631 ; 7.633,18.781 7.633,19.181 ; 7.633,21.481 7.633,21.881 ; 7.683,9.181 7.683,9.581 ; 7.683,12.831 7.683,13.231 ; 7.683,14.331 7.683,14.731 ; 7.683,17.331 7.683,17.731 ; 7.733,10.331 7.733,10.731 ; 7.733,11.531 7.733,11.931 ; 7.733,15.731 7.733,16.131 ; 7.733,22.681 7.733,23.081 ; 7.733,24.231 7.733,24.631 ; 75.828,33.281 75.828,95.981 -0.067,95.981 -0.067,25.231 7.933,25.231 7.933,7.331 0.033,7.331 -0.3,6.998 -0.3,-0.3 -0.299,-0.301 96.876,-0.301 96.983,-0.194 96.983,-0.319 ; 76.233,0.206 76.233,2.956 ; 76.233,5.281 76.233,8.031 ; 76.233,13.481 76.233,16.231 ; 76.233,18.556 76.233,21.306 ; 76.233,25.156 76.233,27.906 ; 76.233,30.231 76.233,33.281 96.983,33.281 96.983,-0.069 96.983,-0.319 ; 96.983,-0.319 96.983,-0.319
Drill Drawing:
  lines w0.1: -0.002,-0.004 -0.002,95.881 0.633,95.881 75.563,95.881 75.563,33.016 96.833,33.016 96.833,-0.004 -0.002,-0.004

## Text inside footprints (layer, text, board x,y; h text height)
BR1: Top Overlay "~" at 33.279,45.934 h1.52 r90; Top Overlay "~" at 33.179,51.034 h1.52 r90
J7: Top Overlay "1" at 73.579,23.185 h1.52 r90
J8: Bottom Overlay "1" at 81.333,13.881 h1.52
S1: Top Overlay "D" at 86.287,25.135 h1; Top Overlay "S" at 88.91,28.083 h1; Top Overlay "G" at 85.11,30.183 h1
T1: Top Overlay "INPUT" at 18.479,84.127 h1 r180; Top Overlay "OUTPUT" at 40.987,53.635 h1